# Altium PCB GameBoard_V1I1.PcbDoc (part 15 of 22) (continued)
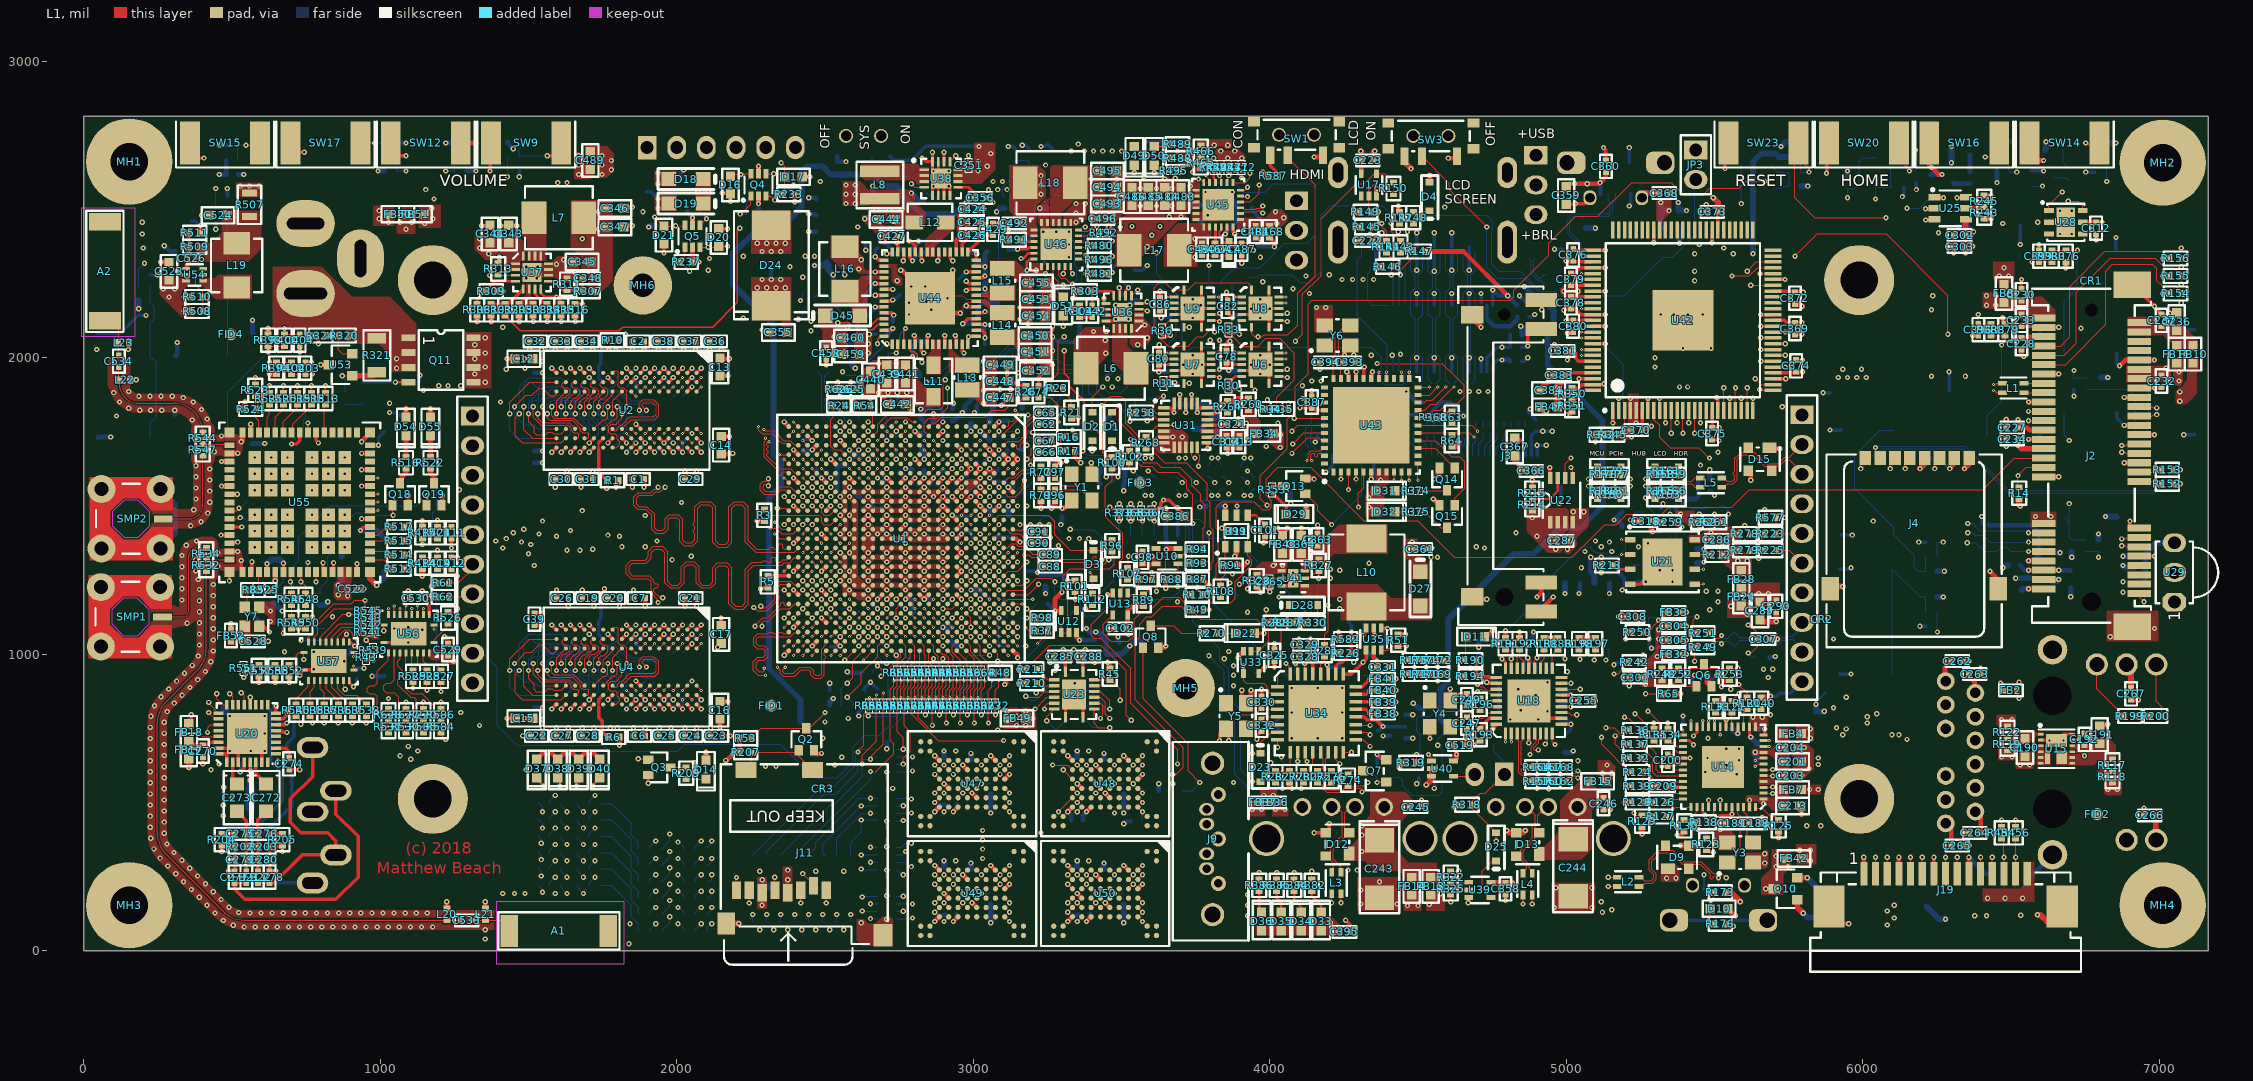
[diagram p0: L1 view]
## Nets (pads, with @x,y where several pads share a name; then routed paths per layer and width w, separated by ;. In a path a pad name is that pad's centre, name@x,y a point inside that pad or via, vN(x,y) a via of type N, cw(c..) or ccw(c..) an arc to the next point about the centre after c; other vN are vias at no path point) (continued)
  L12 w3.35: R464.1@3791.34,1637.8 3804.13,1650.59 v1(3804.13,1661.42)
LVDS0_CLK_R_N: J19.11 R461.2 R462.2 | length 5673.7
  L1 w3.35: J19.11@6397.64,259.84 v1(6397.64,314.96)
  L3 w3.35: v1(3862.2,1578.74) 3877.36,1563.58 3889.37,1563.58 3893.7,1567.91 3893.7,1576.77 3897.64,1580.71 3903.54,1580.71 3907.48,1576.77 3907.48,1566.93 3910.83,1563.58 3946.52,1563.58 3973.09,1537.01 4269.45,1537.01 4294.65,1562.2 4373.23,1562.2 4401.57,1590.55 4523.62,1590.55 4668.01,1446.16 4898.59,1446.16 4935.3,1409.45 5214.82,1409.45 5229.63,1394.65 5229.63,1347.41 5266.01,1311.02 5403.8,1311.02 5423.29,1291.54 5477.16,1291.54 5608.07,1160.63 5837.66,1160.63 5920.34,1077.95 5935.67,1077.95 5970.67,1042.95 5970.67,987.4 5937.01,953.74 5937.01,926.18 5954.72,908.46 5978.35,908.46 5998.82,928.94 5998.82,991.18 6013.15,1005.51 6035.75,1005.51 6049.16,992.1 6049.16,876.3 6053.8,871.65 6064.98,871.65 6069.63,876.3 6069.63,1012.46 6080.73,1023.57 6101.05,1023.57 6112.15,1012.46 6112.15,876.3 6116.79,871.65 6127.97,871.65 6132.62,876.3 6132.62,1029.84 6143.72,1040.95 6161.73,1040.95 6173.17,1029.5 6173.17,876.3 6177.82,871.65 6189,871.65 6195.27,877.93 6195.27,1028.21 6208.01,1040.95 6227.03,1040.95 6237.8,1030.18 6237.8,972.82 6242.44,968.18 6253.62,968.18 6258.44,972.99 6258.44,1029.67 6269.71,1040.94 6290.02,1040.94 6300.79,1030.18 6300.79,973.09 6305.43,968.45 6316.78,968.45 6321.6,973.26 6321.6,1029.84 6332.7,1040.94 6353.02,1040.94 6364.12,1029.84 6364.12,1010.16 6368.76,1005.51 6401.55,1005.51 6442.52,964.54 6442.52,748.68 6509.51,681.69 6571.83,681.69 6673.2,580.32 6696.83,580.32 6741.73,535.41 6741.73,311.05 6665.33,234.65 6456.04,234.65 6411.81,278.88 6411.81,302.43 6411.81,310.63 6407.48,314.96 v1(6397.64,314.96)
  L12 w3.35: R461.2@3838.58,1598.43 3842.52,1598.43 v1(3862.2,1578.74)
LVDS0_CLK_R_P: J19.12 R463.2 R464.2 | length 5671.2
  L1 w3.35: J19.12@6437.01,259.84 v1(6437.01,314.96)
  L3 w3.35: v1(3814.96,1578.74) 3841.33,1578.74 3858.06,1562.01 3863.19,1562.01 3872.64,1552.56 3941.95,1552.56 3968.53,1525.98 4274.02,1525.98 4299.21,1551.18 4377.79,1551.18 4406.14,1579.53 4519.06,1579.53 4663.45,1435.14 4894.02,1435.14 4930.73,1398.43 5210.26,1398.43 5218.6,1390.08 5218.6,1342.84 5261.44,1300 5399.24,1300 5418.72,1280.51 5472.6,1280.51 5603.5,1149.61 5833.09,1149.61 5915.77,1066.93 5931.1,1066.93 5959.65,1038.39 5959.65,991.97 5925.98,958.31 5925.98,921.61 5950.16,897.44 5982.91,897.44 6009.84,924.37 6009.84,986.61 6017.72,994.49 6031.18,994.49 6038.13,987.54 6038.13,871.73 6049.24,860.63 6069.55,860.63 6080.65,871.73 6080.65,1007.9 6085.3,1012.54 6096.48,1012.54 6101.13,1007.9 6101.13,871.73 6112.23,860.63 6132.54,860.63 6143.64,871.73 6143.64,1025.28 6148.29,1029.92 6157.16,1029.92 6162.15,1024.94 6162.15,871.73 6173.25,860.63 6193.57,860.63 6206.3,873.36 6206.3,1023.64 6212.58,1029.92 6222.46,1029.92 6226.77,1025.61 6226.77,968.26 6237.88,957.15 6258.19,957.15 6269.46,968.43 6269.46,1025.11 6274.27,1029.92 6285.46,1029.92 6289.76,1025.61 6289.76,968.53 6300.87,957.43 6321.35,957.43 6332.62,968.7 6332.62,1025.28 6337.26,1029.92 6348.45,1029.92 6353.09,1025.28 6353.09,1005.59 6364.2,994.49 6396.99,994.49 6431.5,959.98 6431.5,744.12 6504.95,670.67 6567.26,670.67 6668.64,569.29 6692.26,569.29 6730.71,530.84 6730.71,315.61 6660.77,245.67 6591.93,245.67 6586.61,250.98 6578.74,250.98 6573.43,245.67 6563.98,245.67 6559.65,250 6551.57,250 6547.24,245.67 6539.37,245.67 6535.04,250 6525.59,250 6521.26,245.67 6511.22,245.67 6506.89,250 6500,250 6495.67,245.67 6485.63,245.67 6481.3,250 6472.44,250 6468.11,245.67 6460.61,245.67 6453.32,252.95 6453.32,258.29 6448.25,263.36 6442.91,263.36 6437.99,268.28 6437.99,274.61 6434.06,278.54 6427.73,278.54 6422.84,283.44 6422.84,297.86 6422.84,310.63 6427.17,314.96 v1(6437.01,314.96)
  L12 w3.35: R463.2@3791.34,1598.43 3795.28,1598.43 v1(3814.96,1578.74)
LVDS0_TX0_N: R444.1 U1.U2 | length 1665.2
  L1 w3.35: U1.U2@2629.92,1736.22 v2(2645.67,1751.97)
  L10 w3.35: v2(2645.67,1751.97) 2645.67,1753.82 2656.34,1764.49 2663.68,1764.49 2697.12,1797.93 2778.01,1797.93 2804.49,1771.46 2834.45,1771.46 2847.44,1784.45 2862.2,1784.45 2868.11,1778.54 2868.11,1760.33 2860.93,1753.15 2827.13,1753.15 2814.61,1740.63 2814.61,1720 2827.91,1706.69 2854.49,1706.69 2866.2,1694.98 2909.13,1694.98 2923.13,1708.98 2923.13,1757.78 2939.37,1774.02 3054.47,1774.02 3061.12,1767.36 3061.12,1741.41 3076.05,1726.48 3098.11,1726.48 3113.44,1741.81 3113.44,1761.5 3122.02,1770.08 3167.09,1770.08 3173.39,1763.78 3212.76,1763.78 3230.67,1745.87 3240.77,1745.87 3251.99,1734.65 3272.31,1734.65 3285.04,1747.38 3285.04,1794.62 3291.99,1801.57 3302.5,1801.57 3309.15,1794.92 3309.15,1743.74 3322.48,1730.41 3346.14,1730.41 3360.14,1744.41 3360.14,1759.48 3366.79,1766.14 3378.91,1766.14 3388.19,1756.86 3388.19,1743.44 3400.92,1730.71 3421.24,1730.71 3444.56,1754.04 3483.93,1754.04 3499.98,1770.08 3507.64,1770.08 3518.11,1759.6 3518.11,1749.36 3506,1737.25 3506,1712.92 3520,1698.92 3542.99,1698.92 3562.97,1718.9 3576.78,1718.9 3585.04,1710.64 3585.04,1698.23 3581.69,1694.88 3576.77,1694.88 3572.83,1690.94 3572.83,1685.04 3576.38,1681.5 3582.28,1681.5 3585.04,1678.74 3585.04,1670.56 3579.72,1665.25 v1(3579.72,1661.42)
  L12 w3.35: R444.1@3566.93,1637.8 3579.72,1650.59 v1(3579.72,1661.42)
LVDS0_TX0_P: R446.1 U1.U1 | length 1665.1
  L1 w3.35: U1.U1@2629.92,1767.72 v2(2645.67,1783.47)
  L10 w3.35: v2(2645.67,1783.47) 2645.67,1781.62 2651.77,1775.51 2659.11,1775.51 2692.56,1808.96 2782.58,1808.96 2809.06,1782.48 2829.88,1782.48 2842.88,1795.47 2866.77,1795.47 2879.13,1783.11 2879.13,1755.76 2865.5,1742.13 2831.69,1742.13 2825.63,1736.06 2825.63,1724.57 2832.48,1717.72 2859.06,1717.72 2870.77,1706 2904.56,1706 2912.11,1713.55 2912.11,1762.34 2934.8,1785.04 3059.03,1785.04 3072.15,1771.92 3072.15,1745.98 3080.62,1737.5 3093.54,1737.5 3102.42,1746.38 3102.42,1766.06 3117.46,1781.1 3171.65,1781.1 3177.95,1774.8 3217.32,1774.8 3235.24,1756.89 3245.34,1756.89 3256.56,1745.67 3267.74,1745.67 3274.02,1751.95 3274.02,1799.19 3287.43,1812.6 3307.06,1812.6 3320.18,1799.48 3320.18,1748.3 3327.04,1741.44 3341.57,1741.44 3349.11,1748.98 3349.11,1764.05 3362.23,1777.16 3383.48,1777.16 3399.21,1761.43 3399.21,1748.01 3405.49,1741.73 3416.67,1741.73 3440,1765.06 3479.37,1765.06 3495.41,1781.1 3512.2,1781.1 3529.13,1764.17 3529.13,1744.79 3517.03,1732.69 3517.03,1717.48 3524.57,1709.94 3538.42,1709.94 3558.4,1729.92 3581.35,1729.92 3596.06,1715.2 3596.06,1670.56 3601.38,1665.25 v1(3601.38,1661.42)
  L12 w3.35: v1(3601.38,1661.42) 3601.38,1650.59 R446.1@3614.17,1637.8
LVDS0_TX1_N: R448.1 U1.U4 | length 1705.1
  L1 w3.35: U1.U4@2629.92,1673.23 v2(2645.67,1688.98)
  L10 w3.35: v2(2645.67,1688.98) 2655.91,1699.21 2666.94,1699.21 2702.67,1734.94 2719.64,1734.94 2728.11,1726.48 2752.33,1726.48 2764.43,1738.58 2778.16,1738.58 2786.12,1730.62 2786.12,1696.58 2810.49,1672.21 2845.25,1672.21 2852.76,1664.7 2852.76,1622.07 2865.87,1608.96 2890.04,1608.96 2903.15,1622.07 2903.15,1665.38 2909.98,1672.21 2930.34,1672.21 2946.16,1688.03 2946.16,1707.97 2964.57,1726.38 2975.39,1726.38 2981.1,1720.67 2981.1,1689.33 2994.45,1675.98 3018.35,1675.98 3029.72,1687.36 3029.72,1709.84 3035.43,1715.55 3045.28,1715.55 3057.38,1703.45 3126.26,1703.45 3145.65,1722.83 3187.65,1722.83 3198.77,1711.71 3232.34,1711.71 3246.42,1697.64 3275.34,1697.64 3283.46,1689.51 3283.46,1677.01 3262.2,1655.75 3262.2,1598.45 3279.55,1581.1 3311,1581.1 3336.22,1606.32 3336.22,1676.51 3359.31,1699.61 3448.46,1699.61 3456.24,1707.38 3476.11,1707.38 3550.91,1632.58 3603.21,1632.58 3607.84,1627.95 3695.81,1627.95 3710.24,1642.38 3710.24,1652.27 3715.55,1657.59 v1(3715.55,1661.42)
  L12 w3.35: v1(3715.55,1661.42) 3715.55,1650.59 R448.1@3728.35,1637.8
LVDS0_TX1_P: R450.1 U1.U3 | length 1702.7
  L1 w3.35: U1.U3@2629.92,1704.73 v2(2645.67,1720.47)
  L10 w3.35: v2(2645.67,1720.47) 2655.91,1710.24 2662.37,1710.24 2698.1,1745.96 2724.21,1745.96 2732.67,1737.5 2747.76,1737.5 2759.86,1749.61 2782.73,1749.61 2797.15,1735.19 2797.15,1701.14 2815.06,1683.23 2849.81,1683.23 2863.78,1669.27 2863.78,1626.64 2870.44,1619.98 2885.47,1619.98 2892.13,1626.64 2892.13,1669.94 2905.42,1683.23 2925.78,1683.23 2935.14,1692.6 2935.14,1712.54 2960,1737.4 2979.96,1737.4 2992.13,1725.23 2992.13,1693.9 2999.02,1687.01 3013.78,1687.01 3018.7,1691.93 3018.7,1714.41 3030.87,1726.57 3049.84,1726.57 3061.95,1714.47 3121.69,1714.47 3141.08,1733.86 3192.22,1733.86 3203.34,1722.74 3236.91,1722.74 3250.98,1708.66 3279.91,1708.66 3294.49,1694.08 3294.49,1672.44 3273.23,1651.18 3273.23,1643.11 3277.56,1638.78 3277.56,1633.86 3273.23,1629.53 3273.23,1624.41 3277.56,1620.08 3277.56,1614.17 3273.62,1610.24 ; 3273.23,1610.24 3273.23,1603.01 3284.12,1592.13 3306.43,1592.13 3325.2,1610.89 3325.2,1681.08 3354.75,1710.63 3443.9,1710.63 3451.67,1718.41 3480.67,1718.41 3555.48,1643.6 3607.78,1643.6 3612.4,1638.98 3628.94,1638.98 3633.86,1643.9 3643.7,1643.9 3648.62,1638.98 3659.65,1638.98 3665.35,1644.68 3674.21,1644.68 3679.92,1638.98 3691.24,1638.98 3699.21,1646.95 3699.21,1652.27 3693.9,1657.59 v1(3693.9,1661.42)
  L12 w3.35: R450.1@3681.1,1637.8 3693.9,1650.59 v1(3693.9,1661.42)
LVDS0_TX2_N: R455.1 U1.V2 | length 1664.3
  L1 w3.35: v2(2582.68,1751.97) U1.V2@2598.43,1736.22
  L10 w3.35: v2(2582.68,1751.97) 2605.91,1775.2 2605.91,1794.26 2616.04,1804.4 2616.04,1851.64 2660.76,1896.36 2827.43,1896.36 2834.03,1889.76 2866.22,1889.76 2895.06,1860.93 3073.4,1860.93 3081.27,1853.05 3546.97,1853.05 3611.64,1788.39 3788.8,1788.39 3874.02,1703.17 3874.02,1645.83 3890.12,1629.72 3911.06,1629.72 3925.39,1644.06 3925.39,1649.3 3936.02,1659.93 v1(3936.02,1661.42)
  L12 w3.35: v1(3936.02,1661.42) 3936.02,1650.59 R455.1@3948.82,1637.8
LVDS0_TX2_P: R460.1 U1.V1 | length 1662.8
  L1 w3.35: v2(2582.68,1783.47) U1.V1@2598.43,1767.72
  L10 w3.35: v2(2582.68,1783.47) 2589.57,1783.47 2594.88,1788.78 2594.88,1798.83 2605.02,1808.97 2605.02,1826.77 2600.1,1831.69 2593.5,1831.69 2589.57,1835.63 2589.57,1841.54 2593.5,1845.47 2600.39,1845.47 2605.02,1850.1 2605.02,1856.21 2656.19,1907.38 2832,1907.38 2838.59,1900.79 2870.79,1900.79 2899.63,1871.95 3077.96,1871.95 3085.84,1864.07 3551.54,1864.07 3616.2,1799.41 3793.37,1799.41 3885.04,1707.74 3885.04,1694.69 3889.76,1689.96 3893.7,1689.96 3896.65,1687.01 3896.65,1682.09 3893.7,1679.13 3889.76,1679.13 3885.04,1674.41 3885.04,1650.39 3894.69,1640.75 3906.5,1640.75 3914.37,1648.62 v1(3914.37,1661.42)
  L12 w3.35: R460.1@3901.57,1637.8 3914.37,1650.59 v1(3914.37,1661.42)
LVDS0_TX3_N: TP42.1 U1.W2 | length 262.3
  L1 w3.35: v2(2551.18,1751.97) U1.W2@2566.93,1736.22
  L12 w3.35: TP42.1@2476.38,1952.76 2476.38,1950.79 2489.07,1938.09 2489.07,1920.66 2489.07,1800.02 2526.39,1762.7 2540.45,1762.7 v2(2551.18,1751.97)
LVDS0_TX3_P: TP43.1 U1.W1 | length 262.7
  L1 w3.35: v2(2551.18,1783.47) U1.W1@2566.93,1767.72
  L12 w3.35: TP43.1@2511.81,1950.79 2499.11,1938.09 2499.11,1924.82 2499.11,1884.74 2504.92,1878.94 2504.92,1869.98 2499.11,1864.17 2499.11,1855.22 2504.92,1849.41 2504.92,1842.52 2499.11,1836.71 2499.11,1828.64 2503.94,1823.82 2503.94,1815.94 2499.11,1811.12 2499.11,1804.17 2503.09,1800.2 2512.38,1800.2 2516.73,1795.84 2516.73,1786.56 2530.55,1772.74 2540.45,1772.74 v2(2551.18,1783.47)
MCU_BTN: C410.1 D43.1 R287.2 R420.1 | length 3670.7
  L1 w3.15: R287.2@4078.74,1106.3 4078.74,1114.17 v1(4098.43,1133.86)
  L3 w3.15: v1(4098.43,1133.86) 4113.19,1148.62 4167.53,1148.62 4181.31,1134.84 4246.82,1134.84 4285.21,1173.23 4618.11,1173.23 4653.54,1137.8 5110.24,1137.8 5136.81,1164.37 5445,1164.37 5459.76,1149.61 v1(5484.25,1149.61)
  L10 w3.15: v1(5484.25,1149.61) 5484.25,1176.04 5505.06,1196.85 5628.94,1196.85 5662.4,1163.39 5903.54,1163.39 5980.31,1240.16 5980.31,1570.87 6106.3,1696.85 6106.3,1937.01 6188.98,2019.69 6188.98,2389.76 v1(6043.31,2535.43)
  L12 w3.15: D43.1@6039.37,2585.86 6050.43,2574.8 C410.1@6098.43,2574.8 6094.49,2578.74 R420.1@6094.49,2637.8 ; v1(6043.31,2535.43) D43.1@6043.31,2577.98
MCU_GPIO0: R280.1 U34.12 | length 83
  L1 w3.15: R280.1@4114.17,606.3 4125.98,606.3 4145.67,625.98 U34.12@4145.67,669.29
MCU_GPIO1: R281.1 U34.28 | length 64.8
  L1 w3.15: U34.28@4171.26,933.07 4171.26,966.54 4185.04,980.31 R281.1@4185.04,992.13
MCU_GPIO2: R277.1 R282.1 R283.2 U34.9 | length 179.2
  L1 w3.15: v1(4003.94,633.86) 4003.94,622.05 R282.1@4019.69,606.3 R277.1@4066.93,606.3 4068.9,608.27 U34.9@4068.9,669.29
  L12 w3.15: v1(4003.94,633.86) 4019.69,618.11 R283.2@4019.69,606.3
MCU_ISPn: R50.1 R273.2 U1.J24 | length 2693.7
  L1 w3.15: U1.J24@2881.89,1043.31 v2(2897.64,1027.56)
  L3 w3.15: v1(2334.65,622.05) 2342.52,629.92 2452.76,629.92 2559.06,523.62 2559.06,299.89 2610.91,248.03 2705.92,248.03 2764.97,307.09 2776.11,307.09 2912.92,443.9 3047.4,443.9 3103.5,387.8 3188.98,387.8 3201.77,375 3241.82,375 3261.5,394.68 3595.47,394.68 3673.23,472.44 v1(3673.23,562.99)
  L10 w3.15: v1(2334.65,622.05) 2360.34,622.05 2482.38,744.09 2508.39,744.09 2526.57,762.28 2526.57,774.45 2583.35,831.23 2586.61,831.23 2645.15,889.76 2658.67,889.76 2674.21,905.3 2674.21,931.31 2692.91,950.01 2692.91,973.63 2702.55,983.27 2717.52,983.27 2724.41,976.38 2744.09,976.38 2795.28,1027.56 v2(2897.64,1027.56)
  L12 w3.15: R273.2@3665.35,539.37 3665.35,555.12 v1(3673.23,562.99)
MCU_RSTINn: R49.1 U1.J23 U33.1 U33.2 | length 3977.6
  L1 w3.15: U1.J23@2881.89,1074.8 v2(2897.64,1059.06) ; v1(3673.23,594.49) 3685.04,594.49 3708.66,618.11 3708.66,684.36 3547.24,845.78 3547.24,1043.31 3560.86,1056.92 3560.86,1101.1 3585.74,1125.98 3602.36,1125.98 3637.8,1161.42 3700.79,1161.42 3712.6,1149.61 R49.1@3736.22,1149.61 3767.72,1118.11 3956.69,1118.11 3996.06,1078.74 3996.06,1043.31 U33.1@3962.6,1009.84 U33.2@3937.01,1009.84
  L3 w3.15: v1(2299.21,622.05) 2318.48,641.32 2486.63,641.32 2582.68,545.28 2582.68,294.08 2615.93,260.83 2676.96,260.83 2702.55,286.42 2720.47,286.42 2753.94,319.88 2777.77,319.88 2909.66,451.77 3050.66,451.77 3103.81,398.62 3195.35,398.62 3211.1,382.87 3234.46,382.87 3259.07,407.48 3582.68,407.48 3645.67,470.47 3645.67,566.93 v1(3673.23,594.49)
  L10 w3.15: v1(2299.21,622.05) 2318.48,641.32 2368.47,641.32 2479.12,751.97 2505.13,751.97 2518.7,765.54 2518.7,777.71 2580.09,839.1 2580.45,839.1 2638.78,897.43 2638.78,911.63 2662.4,935.25 2662.4,966.75 2686.8,991.14 2714.36,991.14 2734.04,1010.83 2751.58,1010.83 2799.8,1059.06 v2(2897.64,1059.06)
MCU_RSTINn_BUFF: R269.1 R271.1 U33.4 U34.2 | length 245
  L1 w3.15: v1(3909.45,960.63) 3911.42,958.66 U33.4@3911.42,935.04 3912.4,934.06 3912.4,910.43 3921.26,901.57 3980.31,901.57 3992.13,889.76 3992.13,877.95 4004.92,865.16 U34.2@4026.57,865.16
  L12 w3.15: R269.1@3917.32,937.01 3917.32,952.76 v1(3909.45,960.63) 3917.32,968.5 R271.1@3917.32,984.25
MCU_RSTOUTn: R93.1 U34.16 | length 1319.1
  L1 w3.15: R93.1@3775.59,1307.09 3783.46,1307.09 3795.28,1318.9 v1(3795.28,1409.45) ; U34.16@4248.03,669.29 v1(4275.59,669.29)
  L10 w3.15: v1(3795.28,1409.45) 3846.46,1358.27 4217.89,1358.27 4283.46,1292.69 4283.46,1103.56 4259.7,1079.8 4259.7,685.18 v1(4275.59,669.29)
MCU_RSTOUTn_R: R87.1 R93.2 R94.2 U10.2 | length 157.4
  L1 w3.15: U10.2@3690.94,1330.71 3703.74,1330.71 3727.36,1354.33 R94.2@3736.22,1354.33 R93.2@3736.22,1307.09 R87.1@3736.22,1251.97
MCU_SWDIO: TP2.1 U1.P1 U35.3 | length 4363.1
  L1 w3.15: U1.P1@2724.41,1767.72 v3(2740.16,1783.46) ; v1(4314.96,1062.99) 4324.8,1072.83 U35.3@4324.8,1088.58
  L3 w3.15: v4(2751.97,1795.28) 2751.97,1811.54 2781.96,1841.54 2789.52,1841.54 2815.64,1867.65 2815.64,1901.06 2803.15,1913.54 2803.15,1937.01 2780.51,1959.65 2780.51,2027.77 2815.73,2062.99 2815.73,2068.27 2815.94,2068.48 2815.94,2115.68 2842,2141.73 2878.63,2141.73 2901.27,2164.37 2966.33,2164.37 2977.15,2153.54 3003.94,2153.54 3023.62,2173.23 3081.69,2173.23 3155.51,2099.41 3228.81,2099.41 3264.25,2134.84 3332.21,2134.84 3417.84,2220.47 3542.11,2220.47 3549,2213.58 3561.23,2213.58 3607.49,2259.84 3743.42,2259.84 3771.96,2288.39 4009.63,2288.39 4065.73,2232.28 v1(4078.74,2232.28)
  L10 w3.15: v1(4078.74,2232.28) 4086.61,2232.28 4117.13,2201.77 4151.57,2201.77 4181.1,2231.3 4414.37,2231.3 4446.85,2198.82 4584.13,2198.82 4719.49,2063.46 4719.49,2011.81 4727.36,2003.94 4727.36,1915.56 4750.98,1891.94 4750.98,1879.71 4733.48,1862.2 4195.9,1862.2 4102.36,1768.67 4102.36,1498.81 4128.73,1472.44 4171.26,1472.44 4191.93,1451.77 4191.93,1428.15 4314.96,1305.12 v1(4314.96,1062.99)
  L2 w3.15: v3(2740.16,1783.46) v4(2751.97,1795.28)
  L12 w3.15: v1(4314.96,1062.99) TP2.1@4314.96,1098.43
MCU_SWDIO_SEL: R51.1 U1.N2 U35.6 | length 4353.3
  L1 w3.15: U1.N2@2755.91,1736.22 v3(2771.65,1751.97) ; U35.6@4375.98,1013.78 4397.64,1013.78 4411.42,1027.56 R51.1@4433.07,1027.56 v1(4460.63,1027.56)
  L3 w3.15: v4(2783.46,1763.78) 2791.34,1771.65 2791.34,1798.02 2776.57,1812.78 2776.57,1825.01 2785.22,1833.66 2795.28,1833.66 2823.51,1861.9 2823.51,1904.32 2819.88,1907.95 2819.88,1970.26 2812.01,1978.14 2812.01,2030.51 2828.95,2047.45 2828.95,2080.92 2876.97,2128.94 3082.68,2128.94 3122.05,2089.57 3230.11,2089.57 3263.57,2123.03 3332.68,2123.03 3395.67,2186.02 3447.06,2186.02 3473.64,2212.6 3538.85,2212.6 3545.74,2205.71 3564.65,2205.71 3610.91,2251.97 3746.68,2251.97 3775.22,2280.51 3996.63,2280.51 4060.6,2216.54 v1(4133.86,2216.54)
  L10 w3.15: v1(4133.86,2216.54) 4145.67,2216.54 4173.23,2244.09 4549.99,2244.09 4735.24,2058.85 4735.24,1918.83 4758.86,1895.2 4758.86,1876.45 4733.79,1851.38 4249.02,1851.38 4181.1,1783.46 4181.1,1751.97 4174.21,1745.08 4174.21,1600.18 4459.44,1314.96 4481.61,1314.96 4484.25,1312.32 4484.25,1051.18 v1(4460.63,1027.56)
  L2 w3.15: v3(2771.65,1751.97) v4(2783.46,1763.78)
MCU_XTALIN: C330.2 U34.4 Y5.1 | length 206.3
  L1 w3.15: Y5.1@3848.43,834.65 3887.8,795.28 3948.82,795.28 C330.2@3972.44,818.9 3977.36,813.98 U34.4@4026.57,813.98
MCU_XTALOUT: C332.2 U34.5 Y5.3 | length 131.9
  L1 w3.15: Y5.3@3919.29,748.03 3915.35,748.03 3946.85,779.53 C332.2@3972.44,779.53 3981.3,788.39 U34.5@4026.57,788.39
MIC_BIAS: C281.1 R206.1 U20.16 | length 672.6
  L1 w11.81: U20.16@648.03,801.18 v1(648.03,825.2)
  L12 w11.81: R206.1@507.87,393.7 C281.1@464.57,393.7 464.57,410.43 479.33,425.2 590.55,425.2 669.29,503.94 669.29,598.43 629.92,637.8 629.92,807.09 v1(648.03,825.2)
MIC_IN: C282.1 U20.15 | length 581.9
  L1 w11.81: U20.15@648.03,781.5 672.37,781.5 685.04,794.16 v1(685.04,803.15)
  L12 w11.81: C282.1@551.18,393.7 606.3,393.7 701.77,489.17 701.77,628.94 685.04,645.67 685.04,696.85 708.66,720.47 708.66,779.53 v1(685.04,803.15)
MIC_IN_C: C282.2 FB23.1 R206.2 | length 131.6
  L12 w11.81: R206.2@507.87,354.33 C282.2@551.18,354.33 547.24,350.39 FB23.1@547.24,267.72
MIC_LINEIN_L: TP12.1 U20.14 | length 70.6
  L1 w11.81: U20.14@648.03,761.81 679.13,761.81 v1(685.04,767.72)
  L12 w11.81: TP12.1@653.94,767.72 v1(685.04,767.72)
MIC_LINEIN_R: TP13.1 U20.13 | length 72.6
  L1 w11.81: U20.13@648.03,742.13 667.32,742.13 673.23,736.22 v1(685.04,736.22)
  L12 w11.81: TP13.1@653.54,732.28 657.48,736.22 v1(685.04,736.22)
MOV_LD: C398.1 R381.1 U43.39 | length 3934
  L1 w3.15: v1(4074.8,1751.97) 4094.49,1771.65 U43.39@4185.04,1771.65
  L3 w3.15: v1(4704.72,1885.83) 4704.72,1890.96 4714.36,1900.59 4742.34,1900.59 4749.23,1893.7 4885.15,1893.7 4911.73,1867.13 5061.8,1867.13 5148.41,1953.74 5170.62,1953.74 5271.01,2054.13 5613.19,2054.13 5640.75,2081.69 5666.34,2081.69 5681.1,2066.93 5747.36,2066.93 5758.18,2056.1 6210.32,2056.1 6268.39,2114.17 6409.45,2114.17 6443.9,2148.62 6687.01,2148.62 v1(6736.22,2099.41)
  L10 w3.15: v1(4074.8,1751.97) 4074.8,1779.53 4067.91,1786.42 4067.91,1801.39 4081.48,1814.96 4110.24,1814.96 4203.74,1908.46 4676.4,1908.46 4699.03,1885.83 v1(4704.72,1885.83) ; v1(6736.22,2099.41) 6736.22,1385.83 v1(6795.28,1326.77)
  L12 w3.15: R381.1@6751.97,1346.46 C398.1@6795.28,1346.46 v1(6795.28,1326.77)
MOV_LL: C397.1 R383.1 U43.40 | length 3308.3
  L1 w3.15: v1(4077.76,1708.66) 4115.16,1746.06 U43.40@4185.04,1746.06
  L3 w3.15: v1(4736.22,1885.83) 4881.89,1885.83 4908.46,1859.25 5065.94,1859.25 5100.39,1893.7 5133.86,1893.7 5149.61,1909.45 5149.61,1921.59 5274.28,2046.26 5658.67,2046.26 5673.44,2031.5 5748.03,2031.5 6196.85,2031.5 6267.98,2102.62 6471.51,2102.62 6505.7,2136.81 6664.37,2136.81 6712.6,2088.58 v1(6712.6,1956.69) v1@6712.6,1952.76
  L10 w3.15: v1(4077.76,1708.66) 4060.04,1726.38 4060.04,1809.26 4097.23,1846.46 4130.6,1846.46 4200.48,1916.34 4705.71,1916.34 v1(4736.22,1885.83)
  L12 w3.15: v1(6712.6,1956.69) C397.1@6712.6,1933.07 R383.1@6755.91,1933.07
MOV_LR: C396.1 R388.1 U43.41 | length 2882.1
  L1 w3.15: v1(4074.8,1677.17) 4127.95,1730.31 4165.35,1730.31 4175.2,1720.47 U43.41@4185.04,1720.47 ; v1(6389.76,2145.67) C396.1@6389.76,2114.17 R388.1@6433.07,2114.17
  L3 w3.15: v1(4641.73,1885.83) 4672.24,1916.34 4748.86,1916.34 4755.75,1909.45 4891.67,1909.45 4918.25,1882.87 5055.28,1882.87 5141.89,1969.49 5164.1,1969.49 5281.22,2086.61 5574.8,2086.61 5653.54,2165.35 5727.15,2165.35 5790.14,2102.36 5803.15,2102.36 5832.06,2073.45 6205.4,2073.45 6277.62,2145.67 v1(6389.76,2145.67)
  L10 w3.15: v1(4074.8,1677.17) 4092.52,1694.88 4092.52,1771.72 4206.63,1885.83 4417.32,1885.83 4433.07,1870.08 4625.98,1870.08 v1(4641.73,1885.83)
MOV_LU: C399.1 R380.1 U43.38 | length 3006.1
  L1 w3.15: v1(4082.68,1795.28) 4183.07,1795.28 U43.38@4185.04,1797.24 ; v1(6570.87,2322.83) C399.1@6594.49,2322.83 R380.1@6637.8,2322.83
  L3 w3.15: v1(4673.23,1885.83) 4695.87,1908.46 4745.6,1908.46 4752.49,1901.57 4888.41,1901.57 4914.99,1875 5058.54,1875 5145.15,1961.61 5167.36,1961.61 5284.48,2078.74 5598.43,2078.74 5645.67,2125.98 5724.41,2125.98 5786.42,2063.98 6207.06,2063.98 6269.07,2125.98 6397.64,2125.98 6429.13,2157.48 6460.63,2157.48 6570.87,2267.72 v1(6570.87,2322.83)
  L10 w3.15: v1(4082.68,1795.28) 4104.94,1795.28 4203.37,1893.7 4421.26,1893.7 4428.15,1900.59 4473.43,1900.59 4480.31,1893.7 4628.73,1893.7 4635.62,1900.59 4658.46,1900.59 v1(4673.23,1885.83)
MOV_RD: C404.1 R400.1 U43.3 | length 6530.3
  L1 w3.15: v1(677.17,2098.43) R400.1@677.17,2078.74 C404.1@728.35,2078.74 ; v1(4265.75,1555.12) U43.3@4265.75,1614.17
  L3 w3.15: v1(677.17,2098.43) 657.48,2098.43 535.43,2220.47 535.43,2500 614.17,2578.74 937.01,2578.74 988.19,2527.56 1097.23,2527.56 1171.05,2453.74 1183.28,2453.74 1213.79,2484.25 1668.62,2484.25 1693.22,2459.65 1907.69,2459.65 1915.56,2451.77 1934.57,2451.77 1988.71,2505.91 2172.24,2505.91 2178.15,2511.81 2223.22,2511.81 2239.95,2495.08 2410.28,2495.08 2423.07,2507.87 2486.84,2507.87 2589.2,2405.51 2629.92,2405.51 2723.43,2312.01 2802.17,2312.01 2871.06,2243.11 2982.49,2243.11 2995.29,2255.91 3118.11,2255.91 3211.61,2162.4 3273.83,2162.4 3326.98,2215.55 3369.77,2215.55 3426.86,2272.64 3485.24,2272.64 3500,2287.4 3649.61,2287.4 3673.23,2311.02 3752.49,2311.02 3775.12,2333.66 3911.63,2333.66 3933.28,2312.01 4035.77,2312.01 4068.25,2279.53 4090.55,2279.53 4123.03,2247.05 4262.8,2247.05 v1(4279.53,2263.78)
  L10 w3.15: v1(4265.75,1555.12) 4279.53,1555.12 4306.1,1581.69 4306.1,1599.41 4204.72,1700.79 4204.72,1770.98 4259.53,1825.79 4741.6,1825.79 4782.48,1866.67 4782.48,1916.12 4760.83,1937.78 4760.83,2097.28 4725.24,2132.87 4713.74,2132.87 4649.61,2197.01 4649.61,2227 4604.95,2271.65 4553.92,2271.65 4486.99,2338.58 4354.33,2338.58 v1(4279.53,2263.78)
MOV_RL: C403.1 R402.1 U43.4 | length 6600
  L1 w3.15: R402.1@700.79,1944.88 C403.1@748.03,1944.88 v1(771.65,1944.88) ; v1(4291.34,1590.55) U43.4@4291.34,1614.17
  L3 w3.15: v1(771.65,1944.88) 743.11,1973.43 743.11,2053.36 566.93,2229.54 566.93,2488.19 633.86,2555.12 933.07,2555.12 977.36,2510.83 1091.54,2510.83 1129.92,2472.44 1129.92,2451.56 1143.49,2437.99 1199.03,2437.99 1229.54,2468.5 1661.42,2468.5 1682.09,2447.83 1742.34,2447.83 1764.97,2425.2 1919.13,2425.2 1985.08,2491.14 2187.99,2491.14 2200.79,2503.94 2219.95,2503.94 2236.69,2487.2 2413.54,2487.2 2426.33,2500 2476.38,2500 2589.57,2386.81 2589.57,2299.21 2619.09,2269.68 2675.2,2269.68 2699.8,2245.08 2758.86,2245.08 2787.4,2216.54 2956.69,2216.54 2961.61,2211.61 3138.78,2211.61 3195.87,2154.53 3297.45,2154.53 3327.37,2184.44 3349.8,2184.44 3429.13,2263.78 3556.31,2263.78 3572.06,2279.53 3658.31,2279.53 3678,2299.21 3751.81,2299.21 3778.39,2325.79 3877.74,2325.79 3899.4,2304.13 4032.51,2304.13 4064.99,2271.65 4086.61,2271.65 4119.09,2239.17 4290.35,2239.17 v1(4314.96,2263.78)
  L10 w3.15: v1(4291.34,1590.55) 4196.85,1685.04 4196.85,1774.24 4256.27,1833.66 4738.34,1833.66 4774.61,1869.93 4774.61,1912.86 4752.95,1934.52 4752.95,2094.02 4721.98,2125 4710.48,2125 4641.73,2193.75 4641.73,2223.73 4601.69,2263.78 4550.55,2263.78 4495.43,2318.9 4354.33,2318.9 4314.96,2279.53 v1(4314.96,2263.78)
MOV_RR: C402.1 R403.1 U43.5 | length 6528.9
  L1 w3.15: v1(4299.21,1496.06) 4299.21,1543.31 4316.93,1561.02 U43.5@4316.93,1614.17
  L3 w3.15: v1(204.72,2318.9) 204.72,2322.83 236.22,2354.33 236.22,2389.76 449.8,2603.35 472.44,2603.35 509.84,2640.75 926.18,2640.75 1000,2566.93 1114.17,2566.93 1162.4,2518.7 1179.34,2518.7 1186.23,2511.81 1822.83,2511.81 1838.58,2527.56 1909.45,2527.56 1916.34,2520.67 1957.68,2520.67 1995.57,2558.56 2046.75,2558.56 2065.94,2577.76 2189.96,2577.76 2204.72,2562.99 2340.67,2562.99 2359.37,2544.29 2410.95,2544.29 2425.72,2559.06 2456.69,2559.06 2479.72,2536.03 2705.32,2536.03 2736.22,2505.13 2736.22,2492.13 2751.97,2476.38 2881.64,2476.38 2905.26,2452.76 3003.42,2452.76 3018.18,2437.99 3099.41,2437.99 3109.25,2447.83 3182.09,2447.83 3262.8,2367.13 3355.31,2367.13 3366.14,2377.95 3427.78,2377.95 3458.29,2408.46 3474.62,2408.46 3493.32,2389.76 3694.88,2389.76 3746.06,2440.94 3988.19,2440.94 4047.24,2381.89 4133.86,2381.89 4216.54,2299.21 4314.96,2299.21 v1(4350.39,2263.78)
  L10 w3.15: v1(4299.21,1496.06) 4292.79,1496.06 4225.39,1563.46 4225.39,1632.87 4188.98,1669.29 4188.98,1777.5 4253.01,1841.54 4735.08,1841.54 4766.73,1873.19 4766.73,1909.6 4745.08,1931.25 4745.08,2090.76 4718.71,2117.13 4698.23,2117.13 4633.86,2181.5 4633.86,2220.47 4598.43,2255.91 4539.37,2255.91 4515.75,2279.53 4476.38,2279.53 4456.69,2299.21 4385.83,2299.21 v1(4350.39,2263.78)
  L12 w3.15: R403.1@185.04,2240.16 185.04,2279.53 C402.1@185.04,2283.46 185.04,2299.21 v1(204.72,2318.9)